# Altium PCB Carrier-Board-Apalis.PcbDoc (part 2 of 5)
Units mm, origin at the board's own origin, x right, y up, seen from the top; angles counter-clockwise.
Board outline 97 x 270 mm, 4 copper layers (Top Layer, VCC, GND, Bottom Layer), stack 1.62 mm thick; 326 components, 351 nets, 1611 pads, 935 vias.
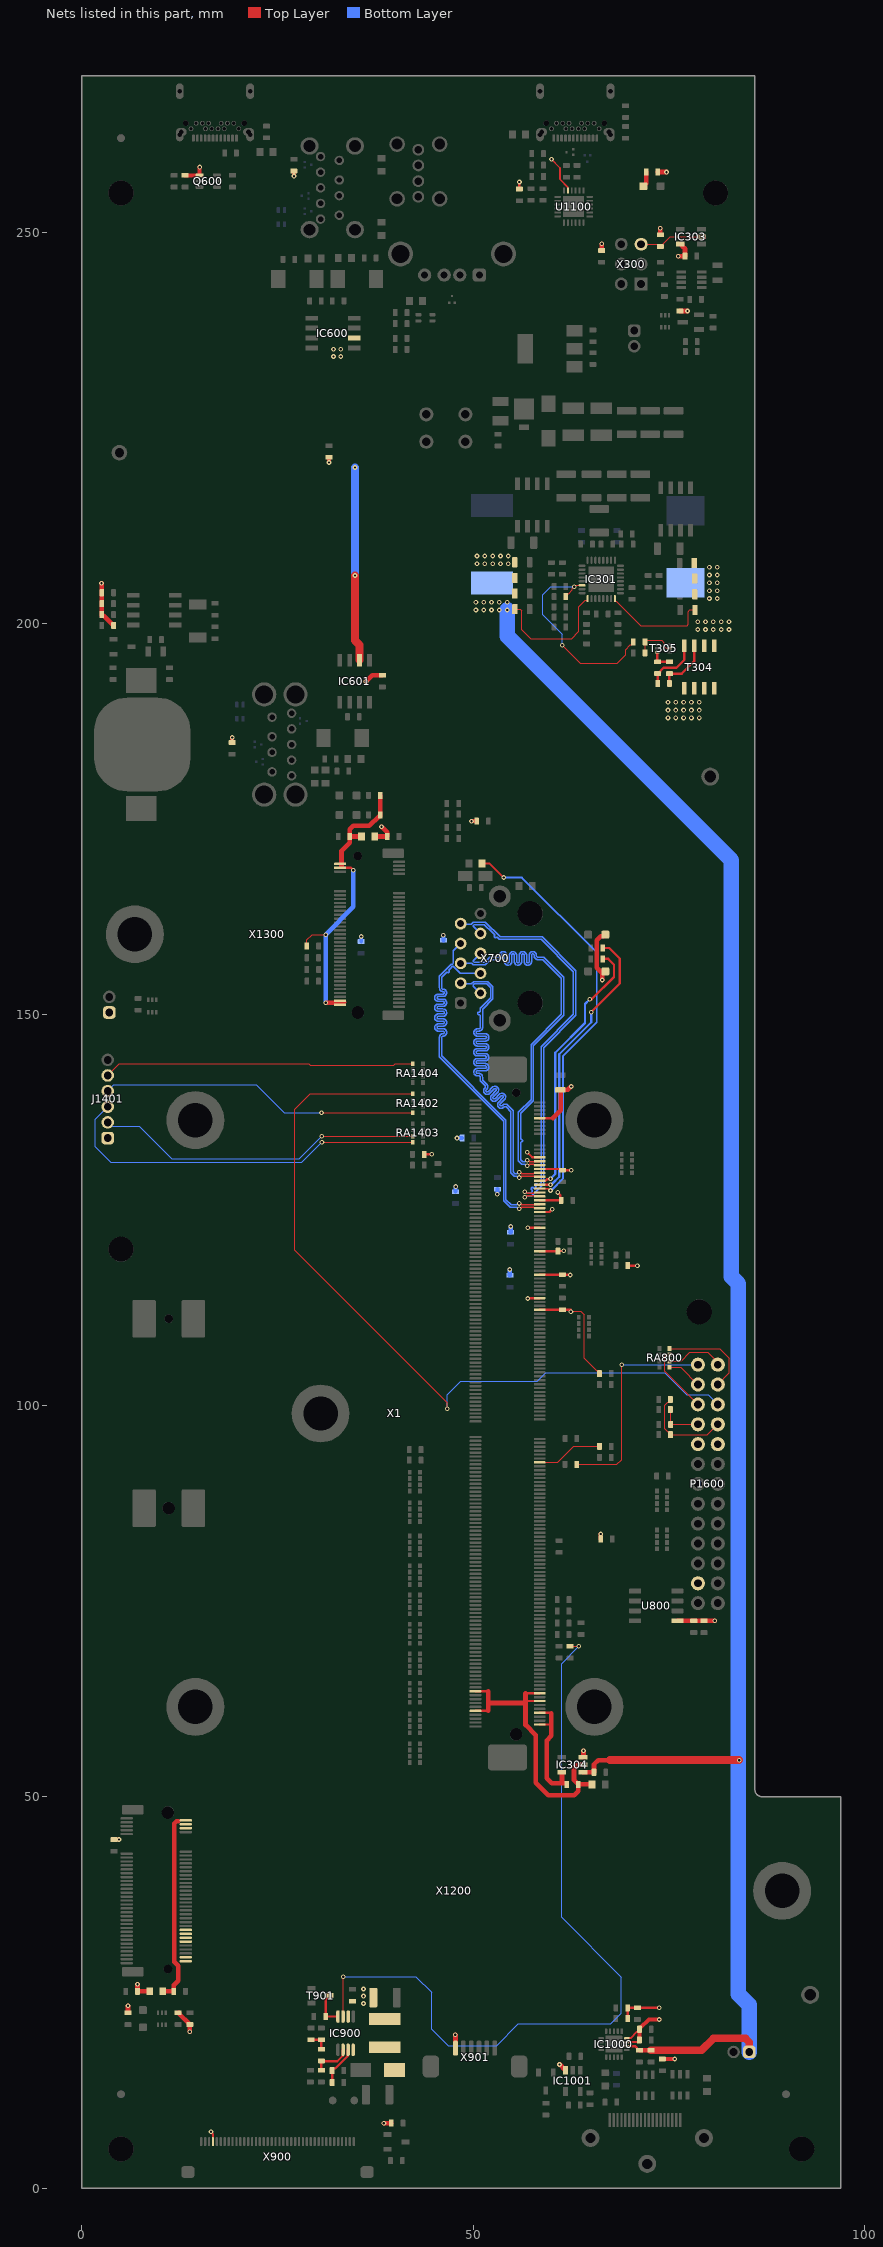
[diagram p4: the nets of this part, all layers, seen from the top]

## Footprints (in the part's own frame and the unit in brackets; to place one, negate y for a bottom-side part, rotate by r counter-clockwise, add the part's x,y. Pads: shape width x height; smd on the part's side, far side on the other; paste and mask are expansions set on the pad) (continued)
T_Omron_XF2M-4015-1A-MIRROR [mm] "DVI FFC Connector 0.5mm pitch"
  rrect50% 0.3x1.1 smd: 1(9.75,-1.95) 2(9.25,-1.95) 3(8.75,-1.95) 4(8.25,-1.95) 5(7.75,-1.95) 6(7.25,-1.95) 7(6.75,-1.95) 8(6.25,-1.95) 9(5.75,-1.95) 10(5.25,-1.95) 11(4.75,-1.95) 12(4.25,-1.95) 13(3.75,-1.95) 14(3.25,-1.95) 15(2.75,-1.95) 16(2.25,-1.95) 17(1.75,-1.95) 18(1.25,-1.95) 19(0.75,-1.95) 20(0.25,-1.95) 21(-0.25,-1.95) 22(-0.75,-1.95) 23(-1.25,-1.95) 24(-1.75,-1.95) 25(-2.25,-1.95) 26(-2.75,-1.95) 27(-3.25,-1.95) 28(-3.75,-1.95) 29(-4.25,-1.95) 30(-4.75,-1.95) 31(-5.25,-1.95) 32(-5.75,-1.95) 33(-6.25,-1.95) 34(-6.75,-1.95) 35(-7.25,-1.95) 36(-7.75,-1.95) 37(-8.25,-1.95) 38(-8.75,-1.95) 39(-9.25,-1.95) 40(-9.75,-1.95)
  rrect50% 1.7x1.5 smd: ""(-11.45,1.95) ""(11.45,1.95)
  silkscreen extent -11.75,-1.95 11.75,3.06, body extent -12.05,-2.95 12.05,2.95, height 2.02
T_ON_NCV4264-2ST50T3G [mm] "SO4"
  rect 2x1.5 smd: 1(-3.15,2.3) 2(-3.15,0) 3(-3.15,-2.3)
  rect 2x3.8 smd: 4(3.15,0)
  silkscreen extent -4.77,-3.43 1.8,3.43, body extent -1.85,-3.35 1.85,3.35, height 1.75
T_Resistor_Array_X4 [mm] "Resistor Array 0.8mm"
  rect 0.5x0.6 smd: 1(0,0) 2(0,-0.8) 3(0,-1.6) 4(0,-2.4) 5(1.3,0) 6(1.3,-0.8) 7(1.3,-1.6) 8(1.3,-2.4)
  silkscreen extent -0.47,-2.92 1.77,0.52, body extent -0.47,-2.92 1.77,0.52, height 0.55
T_Samtec_SSW-103-01-G-D [mm] "Receptacle Female Socket  2x3 Pins, 2.54 mm pitch"
  rect 1.65x1.65 hole 1: 1(0,0)
  round 1.65 hole 1: 2(0,2.54) 3(2.54,0) 4(2.54,2.54) 5(5.08,0) 6(5.08,2.54)
  silkscreen extent -2.26,-1.33 6.73,3.87, body extent -1.52,-1.21 6.6,3.75, height 8.52
T_SOT95P230X110-3N [mm]
  rect 1x0.6 smd: 1(-1.15,0.95) 2(-1.15,-0.95) 3(1.15,0)
  silkscreen extent -1.4,-1.45 0.33,1.67, body extent -0.7,-1.5 0.7,1.5, height 1.12
T_SOT95P285X90-6N [mm]
  rect 1.05x0.5 smd: 1(-1.35,0.95) 2(-1.35,0) 3(-1.35,-0.95) 4(1.35,-0.95) 5(1.35,0) 6(1.35,0.95)
  silkscreen extent -1.57,-1.5 0.5,1.7, body extent -0.87,-1.54 0.87,1.54, height 1.45
T_TI_TPD2EUSB30DRTR [mm] "2 CHANNEL PROTECTION SOLUTION FOR SUPER-SPEED"
  rect 0.3x0.3 smd: 1(-0.425,0.35) 2(-0.425,-0.35) 3(0.425,0)
  silkscreen extent -0.88,0.3 -0.78,0.4, body extent -0.43,-0.5 0.43,0.5, height 0.5
"T_TP-THT - EYE" [mm] "Testpin TH"
  round 2.3 hole 1.5: 1(0,0)
  silkscreen extent -1.4,-1.4 1.4,1.4, body extent -1.59,-1.59 1.59,1.59, height 8.14
T_TSOP65P490X110-8N [mm] "TSOP, 8-Leads, Body 3.1x3.1mm (max), Pitch 0.65mm, IPC Medium Density"
  oval 1.6x0.45 smd: 1(-2.125,0.975) 2(-2.125,0.325) 3(-2.125,-0.325) 4(-2.125,-0.975) 5(2.125,-0.975) 6(2.125,-0.325) 7(2.125,0.325) 8(2.125,0.975)
  silkscreen extent -2.25,-1.55 0.92,1.88, body extent -2.18,-1.55 2.18,1.55, height 1.1
T_VISHAY_SS3P3 [mm] "Schottky Barrier Rectifiers. 2-Leads, Body 3.7x1.88mm"
  rect 2.67x2.54 smd: 1(-0.8,0)
  rect 0.762x1.27 smd: 2(1.551,0)
  silkscreen extent -2.63,-0.53 -2.63,0.52, body extent -2,-1.09 2,1.09, height 1.15
TP [mm]
  round 1 smd paste-1: 1(0,0)
UJ31-CH-G1-SMT-TR [mm] "USB Type C Jack"
  rrect50% 0.35x0.89 smd: A1(0,0) A2(0.5,0) A3(1,0) A4(1.5,0) A5(2,0) A6(2.5,0) A7(3,0) A8(3.5,0) A9(4,0) A10(4.5,0) A11(5,0) A12(5.5,0)
  round 0.6 hole 0.4: B1(5.8,-1.205) B2(5.15,-1.905) B3(4.35,-1.905) B4(3.95,-1.205) B5(3.55,-1.905) B6(3.15,-1.205) B7(2.35,-1.205) B8(1.95,-1.905) B9(1.55,-1.205) B10(1.15,-1.905) B11(0.35,-1.905) B12(-0.3,-1.205)
  oval 1x1.7 hole 0.6 slot 1.3 at 90 deg: S(-1.75,-0.45) S(7.25,-0.45)
  oval 1x2 hole 0.6 slot 1.5 at 90 deg: S(-1.75,-6.005) S(7.25,-6.005)
  oval 1.4x1 hole 0.6 slot 1 at 0 deg: S(-1.55,-0.8) S(7.05,-0.8)
  round 0.7 hole 0.7 unplated: ""(-0.975,-1.905) ""(6.475,-1.905)
  silkscreen extent -2.07,-4.65 7.57,0.94, body extent -2.2,-9.65 7.7,0.35, height 3.5

## Part data
BAT400: library part BAT-Keystone-3000, "Battery Holder", Manufacturer Name=Keystone, Manufacturer Part No.=3000
C200 C303: library part C-X7R-100nF-50V-20%-0603, "Capacitor Ceramic X7R 100nF 50V 20% 0603", Rating=50V, Tolerance=20%, Type=X7R
C201 C202 C203 C301 C302 C312 C316 C317: library part C-X5R-10uF-50V-20%-1210, "Capacitor Ceramic X5R 10uF 50V 20% 1210", Rating=50V, Tolerance=20%, Type=X5R
C204 C205 C206 C207 C208: library part C-X5R-4.7uF-10V-10%-0603, "Capacitor Ceramic X5R 4.7uF 10V 10% 0603", Rating=10V, Tolerance=10%, Type=X5R
C209 C403: library part C-X5R-22uF-10V-20%-0805, "Capacitor Ceramic X5R 22uF 10V 20% 0805", Rating=10V, Tolerance=20%, Type=X5R
C210 C305 C318 C319 C327 C402 C600 C603 C606 C703 C1001 C1002 C1003 C1004 C1005 C1101 C1400: library part C-X7R-100nF-16V-10%-0402, "Capacitor Ceramic X7R 100nF 16V 10% 0603", Rating=16V, Tolerance=10%, Type=X7R
C300 C304 C311 C1000 C1203 C1204 C1302 C1303: library part C-X5R-10uF-10V-20%-0603, "Capacitor Ceramic X5R 10uF 10V 20% 0603", Rating=10V, Tolerance=20%, Type=X5R
C306 C313: library part C-X5R-1uF-16V-20%-0603, "Capacitor Ceramic X5R 1uF 16V 20% 0603", Rating=16V, Tolerance=20%, Type=X5R
C307 C308 C309 C310 C322 C323 C324 C325: library part C-X5R-47uF-10V-20%-0805, "Capacitor Ceramic X5R 47uF 10V 20% 0805", Rating=10V, Tolerance=20%, Type=X5R
C314 C500 C602 C605 C608 C900 C1008 C1200: library part C-X7R-1nF-50V-10%-0402, "Capacitor Ceramic X7R 1nF 50V 10% 0603", Rating=50V, Tolerance=10%, Type=X7R
C315: library part C-X7R-470pF-50V-10%-0402, "Capacitor Ceramic X7R 470pF 50V 10% 0603", Rating=50V, Tolerance=10%, Type=X7R
C320: library part C-X7R-330nF-16V-10%-0805, "Capacitor Ceramic X7R 330nF 16V 10% 0805", Rating=16V, Tolerance=10%, Type=X7R
C321 C800 C801: library part "Capacitor Ceramic", "Ceramic Capacitor"
C326: library part C-X7R-680pF-50V-10%-0402, "Capacitor Ceramic X7R 680pF 50V 10% 0603", Rating=50V, Tolerance=10%, Type=X7R
C328: library part C-X7R-10nF-25V-10%-0402, "Capacitor Ceramic X7R 10nF 25V 10% 0603", Rating=25V, Tolerance=10%, Type=X7R
C329 C330 C1006 C1007 C1100 C1102: library part C-X5R-2.2uF-6.3V-20%-0603, "Capacitor Ceramic X5R 2.2uF 6.3V 20% 0603", Rating=6.3V, Tolerance=20%, Type=X5R
C400 C401: library part C-NPO-27pF-50V-5%-0603, "Capacitor Ceramic NPO 27pF 50V 5% 0603", Rating=50V, Tolerance=5%, Type=NPO
C501 C502: library part C-X7R-100pF-50V-10%-0402, "Capacitor Ceramic X7R 100pF 50V 10% 0603", Rating=50V, Tolerance=10%, Type=X7R
C503 C504 C505 C506 C507 C508 C700 C701 C1009 C1010 C1201 C1202 C1300 C1301: library part C-X7R-10nF-25V-10%-0603, "Capacitor Ceramic X7R 10nF 25V 10% 0603", Rating=25V, Tolerance=10%, Type=X7R
C601 C604 C607: library part C-TA-100uF-10V-10%-6032, "Capacitor TA 100uF 10V 10% 6032", Rating=10V, Tolerance=10%, Type=TA
C702: library part C-TA-47uF-6.3V-20%-3216, "Capacitor TA 47uF 6.3V 20% 3216", Rating=6.3V, Tolerance=20%, Type=TA
C901 C903: library part C-X5R-10uF-50V-10%-1210, "Capacitor Ceramic X5R 10uF 50V 10% 1210", Manufacturer=Generic, Rating=50V, Tolerance=10%, Type=X5R
C902: library part C-X7R-100nF-16V-10%-0603, "Capacitor Ceramic X7R 100nF 16V 10% 0603", Manufacturer=Generic, Rating=16V, Tolerance=10%, Type=X7R
C904 C905: library part C-X7R-100nF-16V-10%-0603, "Capacitor Ceramic X7R 100nF 16V 10% 0603", Rating=16V, Tolerance=10%, Type=X7R
D200 D700 D701 D1200 D1300 D1301: library part "LED green", "LED green", Manufacturer Part No.=LGM67KG1J224Z
D201: "Bidirectional ESD protection", Manufacturer Name=Littelfuse, Manufacturer Part No.=SMAJ30CA
D202: library part D-Vishay-SS3P3-E3/84A-Schottky, "SS3P3-E3/84A Schottky Diode", Manufacturer Name=Vishay, Manufacturer Part No.=SS3P3-E3/84A
D400 D1000: library part D-Philips-BAT54C-Schottky-30V-200mA, "BAT54 Schottky Diode", Manufacturer=Philips
  D400: Manufacturer Part No.=BAT54C
  D1000: Manufacturer Part Number=BAT54C
D600 D601 D602 D603 D604 D605 D606 D1100 D1101: library part D-TI-TPD2EUSB30DRTR, "2 Channel Protection for Super Speed USB3.0", Manufacturer Name=TI, Manufacturer Part No.=TPD2EUSB30DRTR
D900: library part D-Fairchild-SS14, "Schottky Diode 40V 1A", Manufacturer Name=Fairdhild, Manufacturer Part No.=SS14
D1001 D1002: library part D-Semtech-RClamp0504S, "TVS Array low cap", Manufacturer Name=Semtech, Manufacturer Part No.=RCLAMP0504S
F200: library part F-Littelfuse-0458007, "Fuse 7A Fast", Manufacturer Name=Littelfuse, Manufacturer Part No.=0458007
FD200 FD201 FD202 FD203 FD204 FD205: "Fiducial Marker"
IC300: library part IC-ON-NCV4264-2ST50T3G, "L5150BNTR LDO Regulator", Manufacturer Name=STMicroelectronics, Manufacturer Part No.=L5150BNTR
IC301: library part IC-TI-TPS51120, "Power Supply Controller", Manufacturer Name="Texas Instruments", Manufacturer Part No.=TPS51120
IC302: library part IC-LIN-LTC2954CTS8-2#PBF, "Push Button On/Off Controller", Manufacturer Name=Linear, Manufacturer Part No.=LTC2954CTS8-2#TRMPBF
IC303: library part IC-FAR-NC7SZ126M5X, "NC7SZ126M5X  Buffer Three-State Output", Manufacturer Name="Fairchild Semiconductor", Manufacturer Part No.=NC7SZ126M5X
IC304 IC1001: library part IC-ON-NCP511SN33T1G, "NCP511SN33T1G LDO Regulator", Manufacturer Name="ON Semiconductor", Manufacturer Part No.=NCP511SN33T1G
IC400: library part IC-ST-M41T0M6, "RTC M41T0M6", Manufacturer Name=ST, Manufacturer Part No.=M41T0M6
IC600 IC601: library part IC-TI-TPS2052BD, "Dual High Side Switch With OC_DET 500mA/CH", Manufacturer Name="Texas Instruments", Manufacturer Part No.=TPS2052BD
IC900: library part IC-DiodesInc-PAM2841GR, "Diodes Inc, PAM2841GR, DC/DC step-up LED driver", Manufacturer="Diodes Incorporated", Manufacturer Part No.=PAM2841GR, Package=DFN2x2-8
IC1000: "HDMI ESD protection, level shifter and backdrive protection", Manufacturer Part No.=HDMI2C1-6C1
J200: "Screw Terminal, 2 Position, 5mm Spacing", System=Connector
J300 J301 J1400: library part "Connector 2x1P", "Connector 2x1P", Manufacturer Part No.=B2B-PH-K-S
  J1400: System=Connector
J600 J1100: library part "Connector USB C", "USB Type C Jack", Manufacturer Part No.=UJ31-CH-G1-SMT-TR
J1401: library part "Connector 6x1P", "Connector 6x1P", Manufacturer Part No.=B6B-PHK-S, System=Connector
L200 L201: library part L-Laird-35F0121-0SR-10-10A-25%, "Power Supply FB 10A", Rating=10A, Tolerance=25%
L202 L203 L204 L205 L1200 L1300: library part L-33R@100MHz-3A-25%-0603, "33R@100MHz 3A EMI FILTER", Rating=3A, Tolerance=25%
L300: library part L-Bourns-SRP1038A-4R7M, "Inductor 4.7uH 10A 20% 15.5 mOhm -40°C to125°C", DC Resistance="15.5 mOhm", Manufacturer Name=Bourns, Manufacturer Part No.=SRP1038A-4R7M, Rating=10A, Tolerance=20%
L301: library part L-Wurth-744771008-8.2uH-6.25A-20%, "Inductance 8.2uH 6.25A 20%", Manufacturer Name=Wurth, Manufacturer Part No.=744771008, Rating=6.25A, Tolerance=20%
L302 L601 L602 L603 L605 L607 L608 L609 L700 L1100: library part L-220R@100MHz-2A-25%-0603, "220R@100MHz 2A EMI FILTER", Rating=2A, Tolerance=25%
L600 L604 L606: library part L-Murata-DLW21SN900SQ2-90R@100MHz-330mA-25%, "Common Mode Choke High Speed 90R 330mA", Manufacturer Name=Murata, Manufacturer Part No.=DLW21SN900SQ2, Rating=330mA, Tolerance=25%
L900: library part L-Bourns-SRN5040-220M, "Inductor shielded 22uH 1.6A", Manufacturer=Generic, Rating=1.6A, Tolerance=25%
L1000: library part L-120R@100MHz-2A-25%-0603, "120R@100MHz 2A EMI FILTER", Rating=2A, Tolerance=25%
MECH200: library part MECH-Molex-48099-5701, Manufacturer Name=Molex, Manufacturer Part No.=48099-5701
OSC400: library part OSC-MC-CC4V-T1A-32.768KHz-30ppm-5x1.9mm, "Quartz 32.768kHz", Manufacturer Name="Micro Crystal", Tolerance=30ppm, Manufacturer Part No.=CC4V-T1A
P1600: library part "Header 13x2P", "Header 13x2P", Manufacturer Part No.=TSW-113-6-L-D
Q600: library part "Transistor N/PMOS Dual", "Transistor Dual, NMOS & PMOS", Manufacturer Part No.=SQ1539EH-T1_GE3
R200 R700 R701 R1200 R1300 R1301: library part R-560R-63mW-5%-0402, "Resistor 560 ohm 63mW 5% 0603", Rating=63mW, Tolerance=5%
R300 R301 R312: library part R-4.7R-63mW-5%-0402, "Resistor 4.7 ohm 63mW 5% 0603", Rating=63mW, Tolerance=5%
R302 R307 R309 R313 R316 R320 R321 R324 R326 R405 R502 R503 R504 R605 R1202 R1401: library part R-100KR-63mW-5%-0402, "Resistor 100 Kohm 63mW 5% 0603", Rating=63mW, Tolerance=5%
R303 R604 R1306 R1307: library part R-0R-63mW-1%-0402, "Resistor 0 ohm 63mW 1% 0603", Rating=63mW, Tolerance=1%
R304 R314 R315: library part R-10KR-63mW-5%-0402, "Resistor 10 Kohm 63mW 5% 0603", Rating=63mW, Tolerance=5%
R305: library part R-12mR-250mW-1%-1206, "Resistor 12 mohm 250mW 1% 1206", Rating=250mW, Tolerance=1%
R306 R318 R1005: library part R-24KR-63mW-1%-0402, "Resistor 24 Kohm 63mW 1% 0603", Rating=63mW, Tolerance=1%
R308: library part R-3.3KR-63mW-1%-0402, "Resistor 3.3 Kohm 63mW 1% 0603", Rating=63mW, Tolerance=1%
R310 R311 R322 R323 R600 R601 R602 R603 R1303 R1304 R1305 R1308 R1309 R1310 R1311 R1402 R1403: library part R-0R-63mW-1%-0603, "Resistor 0 ohm 63mW 1% 0603", Rating=63mW, Tolerance=1%
R317: library part R-15mR-250mW-1%-1206, "Resistor 15 mohm 250mW 1% 1206", Rating=250mW, Tolerance=1%
R319: library part R-3.6KR-63mW-1%-0402, "Resistor 3.6 Kohm 63mW 1% 0603", Rating=63mW, Tolerance=1%
R325 R500 R501 R800 R900 R1103 R1104 R1500 R1501: library part R-22R-63mW-5%-0402, "Resistor 22 ohm 63mW 5% 0603", Rating=63mW, Tolerance=5%
R400: library part R-470R-63mW-5%-0402, "Resistor 470 ohm 63mW 5% 0603", Rating=63mW, Tolerance=5%
R401 R402: library part R-10R-63mW-5%-0603, "Resistor 10 ohm 63mW 5% 0603", Rating=63mW, Tolerance=5%
R403 R404: library part R-1.8KR-63mW-5%-0402, "Resistor 1.8 Kohm 63mW 5% 0603", Rating=63mW, Tolerance=5%
R606 R607 R608 R609 R610 R801 R802 R803 R804 R805 R1100 R1101 R1102 R1105 R1106 R1400: library part Resistor, "Resistor"
R901 R908: library part R-10KR-63mW-1%-0603, "Resistor 10 Kohm 63mW 1% 0603", Manufacturer=Generic, Rating=63mW, Tolerance=1%
R902: library part R-100KR-63mW-5%-0603, "Resistor 100 Kohm 63mW 5% 0603", Manufacturer=Generic, Rating=63mW, Tolerance=5%
R903: library part R-910KR-63mW-1%-0603, "Resistor 910 Kohm 63mW 1% 0603", Manufacturer=Generic, Rating=63mW, Tolerance=1%
R904: library part R-59KR-63mW-1%-0603, "Resistor 59 Kohm 63mW 1% 0603", Manufacturer=Generic, Rating=63mW, Tolerance=1%
R905: library part R-5KR-63mW-1%-0603, "Resistor 5 Kohm 63mW 1% 0603", Manufacturer=Generic, Rating=63mW, Tolerance=1%
R906: library part R-3.3R-63mW-1%-0603, "Resistor 3.3 ohm 63mW 1% 0603", Manufacturer=Generic, Rating=63mW, Tolerance=1%
R907: library part R-90KR-63mW-1%-0603, "Resistor 90 Kohm 63mW 1% 0603", Manufacturer=Generic, Rating=63mW, Tolerance=1%
R1000 R1001: library part R-10KR-63mW-1%-0603, "Resistor 10 Kohm 63mW 1% 0603", Rating=63mW, Tolerance=1%
R1002 R1004: library part R-1.8KR-63mW-5%-0603, "Resistor 1.8 Kohm 63mW 5% 0603", Rating=63mW, Tolerance=5%
R1003 R1201: library part R-470KR-63mW-5%-0402, "Resistor 470 Kohm 63mW 5% 0603", Rating=63mW, Tolerance=5%
R1302: library part R-47KR-63mW-5%-0603, "Resistor 47 Kohm 63mW 5% 0603", Rating=63mW, Tolerance=5%
RA300 RA400 RA500 RA800 RA900 RA901 RA902 RA903 RA904 RA905 RA906 RA907 RA1000 RA1100 RA1400 RA1401 RA1402 RA1403 RA1404: library part RA-22R-63mW-5%-1206-div, "Resistor Array 22 R 63mW 5% 1206", Power Dissipation=63mW, Tolerance=5%
T300 T303: library part T-Fairchild-FDS6982AS-N, "N-Channel PowerTrench SyncFET", Manufacturer Name=Fairchild, Manufacturer Part No.=FDS6910DKR
T301: library part T-IR-IRLML6401PbF-SOT-23, "p-channel MOSFET, IRLML6401PbF", Manufacturer Name="International Rectifier", Manufacturer Part No.=IRLML6401PbF
T302 T305 T1200 T1400: "Dual N-Channel 20V (D-S)  MOSFET", Manufacturer Name=Vishay, Manufacturer Part No.=SI-1024-X
T304: library part T-Diodes-DMP2022LSS-13-8-SOIC, "p-channel MOSFET, DMP2022LSS-13", Manufacturer Name=DIODES, Manufacturer Part No.=DMP2022LSS-13
T900 T901: library part T-Vishay-SI2312CDS, "N-Channel 20V (D-S)  MOSFET", Manufacturer=Vishay, Manufacturer Part No.=SI2312CDS
TP200 TP201: library part TP-Keystone-5011, "Testpin Eye TH", Manufacturere Name=Keystone, Manufacturer Part No.=5011
U800: "LVDS Transmitter", Manufacturer Part No.=MAX9110ESA+
U1100: "USB to UART Bridge", Manufacturer Part No.=CP2105-F01-GMR
X1: "MXM3 Connector", Manufacturer Name=JAE, Manufacturer Part No.=MM70-314-310B1, No. of ways=314
X300: library part CON-Samtec-SSW-103-01-G-D, "Receptacle Female Socket, 2x3 Pins, 2.54mm pitch", Manufacturer Name=Samtec, Manufacturer Part No.=SSW-103-01-G-D, No. of ways=2x3, Pitch=2.54mm
X600: "USB Type A Connector", Manufacturer Name=FCI, Manufacturer Part No.=73725-0110BLF, No. of ways=4, System=Connector
X601: "USB Type A Connector Vertical", Manufacturer Name=TE, Manufacturer Part No.=1734366-3, System=Connector
X602: library part CON-Amphenol-GSB4116341HR, "USB 3.1, Type A, sideways", Manufacturer Name=Amphenol, Manufacturer Part No.=GSB4116341HR, System=Connector
X603: library part CON-Amphenol-GSB412137CHR, "USB 3.1, Type A, vertical", Manufacturer Name=Amphenol, Manufacturer Part No.=GSB412137CHR, System=Connector
X700: library part CON-TE-5-2301995-1, "Vertical 10/100/1G Mag Jack", Manufacturer Part No.=5-2301995-1
X900: library part CON-Omron-XF2M-4015-1A-40-0.5mm, "RGB Connector", Manufacturer Name=Omron, Manufacturer Part No.=XF2M-4015-1A, No. of ways=40, Pitch=0.5mm, System=Connector
X901: library part CON-Molex-52207-0633, "1mm Pitch FFC/FPC Connector", Manufacturer Name=Molex, Manufacturer Part No.=52207-0633, No. of ways=8, Pitch=0.5mm, System=Connector
X1000: library part CON-Molex-0476591001, "HDMI Connector Vertical", Manufacturer=Molex, Manufacturer Part No.=0476591001, System=Connector
X1200: library part "Connector M.2 Key M", "Connector M.2 Key M", Manufacturer Part No.=1-2199119-5
X1300: library part "Connector M.2 Key A", "Connector M.2 Key A", Manufacturer Part No.=2199119-8

## Free pads (board coordinates)
  round 3.2 hole 3.2 unplated mask+1.5: ""(5,5) ""(5,120) ""(5,255) ""(78.9,112) ""(81,255) ""(92,5)

## Via types
v1: diameter 0.6, hole 0.3, Top Layer to Bottom Layer, tented both sides, 818 vias
v2: diameter 0.6, hole 0.3, Top Layer to Bottom Layer, 117 vias

## Nets (pads, with @x,y where several pads share a name; then routed paths per layer and width w, separated by ;. In a path a pad name is that pad's centre, name@x,y a point inside that pad or via, vN(x,y) a via of type N, cw(c..) or ccw(c..) an arc to the next point about the centre after c; other vN are vias at no path point)
3.3V: C204.1 C205.1 C206.1 C207.1 C208.1 C209.1 C307.2 C308.2 C309.2 C310.2 C327.1 C328.2 IC301.8 IC303.5 L300.2 R314.1 R315.1 R316.2 R320.1 R324.2 R1401.1 T304.1 T304.2 T304.3 X1.10 X1.30 X1.36 X1.52 X1.58 X1.66 X1.78 X1.90 X1.102 X1.108 | length 70.5
  Top Layer w0.15: v1@62.48,112.27 62.65,112.1 63.729,112.1 64.2,111.63 64.2,106.05 65.788,104.462 65.925,104.462 66.15,104.237 R1401.1@66.15,104.1 ; IC301.8@68.129,203.15 68.129,202.89 68.199,202.821 68.324,202.821 71.445,199.7 77.35,199.7 77.5,199.85 77.5,201.5 77.7,201.7 C310.2@78.36,201.7
  Top Layer w0.3: R324.2@43.75,132.121 v1(44.7,132.121) ; v1(56.9,132.4) 57.55,131.75 X1.30@58.5,131.75 ; v1(57,113.7) 57.05,113.75 X1.102@58.5,113.75 ; v1(57,122.75) X1.66@58.5,122.75 ; X1.108@58.5,112.25 61.33,112.25 61.35,112.27 v1@62.48,112.27 ; X1.90@58.5,116.75 C207.1@61.4,116.75 62.35,116.75 v1(62.4,116.7) ; X1.78@58.5,119.75 C206.1@60.85,119.75 60.875,119.775 61.575,119.775 v1(61.6,119.8) ; X1.58@58.5,124.75 59.75,124.75 v1(60.1,125.1) ; X1.52@58.5,126.25 C205.1@61.25,126.25 61.157,126.343 61.157,126.899 v1(60.8,127.256) ; X1.36@58.5,130.25 61.25,130.25 C204.1@61.4,130.1 v1(62.549,130.1) ; X1.10@58.5,136.75 60.2,136.75 ; C328.2@75.089,192.315 R320.1@75.089,193.565 76.665,193.565 78.265,195.165 T304.3@78.265,197.1
  Top Layer w0.6: 60.2,136.75 61.2,137.75 C209.1@61.2,140.35 ; C209.1@61.172,140.386 62.122,140.386 v1(62.536,140.8) ; R314.1@66.435,247.65 v1(66.435,248.5) ; v1(73.9,250.5) 73.935,250.465 R316.2@73.935,249.65 ; v1(76.2,246.9) 76.21,246.91 C327.1@77.085,246.91 77.085,247.86 76.735,248.21 76.735,248.46 IC303.5@76.485,248.46 ; R315.1@76.435,239.9 v1(77.4,239.9)
  other v1: 62.5,112 80.2,203.167 81.2,203.167 80.2,204.167 81.2,204.167 80.2,205.167 81.2,205.167 80.2,206.167 81.2,206.167 80.2,207.167 81.2,207.167
  other v2: 78.7,199.2 79.7,199.2 80.7,199.2 81.7,199.2 82.7,199.2 78.7,200.2 79.7,200.2 80.7,200.2 81.7,200.2 82.7,200.2
3.3V_LED: D200.A R200.2 | length 1.9
  Top Layer w0.6: D200.A@71.76,255.862 72.11,256.212 R200.2@72.11,257.662
3.3V_mSATA1: C1204.2 L1200.2 X1200.2 X1200.4 X1200.12 X1200.14 X1200.16 X1200.18 X1200.70 X1200.72 X1200.74 | length 24.1
  Top Layer w0.3: 11.8,29.4 11.9,29.5
  Top Layer w0.6: L1200.2@10.34,25.15 C1204.2@11.75,25.15 11.75,25.95 12.3,26.5 12.3,28.4 11.8,28.9 11.8,29.4 11.8,46.6 12.1,46.9 12.3,46.9
3.3V_PCIE1: C1303.2 L1300.2 R1300.1 R1301.1 R1302.2 X1300.2 X1300.4 X1300.72 X1300.74 | length 39.5
  Top Layer w0.15: R1302.2@28.75,158.75 28.75,159.531 29.419,160.2 v1(31.15,160.2)
  Top Layer w0.3: X1300.4@33,168.75 34.375,168.75 v1(34.7,168.425)
  Top Layer w0.6: v1(31.15,151.5) 33,151.5 ; 33.19,168.9 33.19,169.25 33.19,170.9 34.25,171.96 C1303.2@34.25,172.75 ; 33.45,151.5 33.5,151.55 ; L1300.2@35.74,172.75 C1303.2@34.25,172.75 ; R1301.1@38.135,178 R1300.1@38.135,175.5 38.135,175.35 37.985,175.35 36.735,174.1 34.7,174.1 34.25,173.65 C1303.2@34.25,172.75
  Bottom Layer w0.6: v1(31.15,151.5) v1(31.15,160.2) 34.7,163.75 v1(34.7,168.425)
3.3V_SW: C503.2 C504.2 C505.2 C506.2 C507.2 C508.2 C700.2 C701.2 C800.1 C801.1 C901.2 C902.1 C1003.2 C1005.2 C1009.2 C1010.2 C1201.2 C1202.2 C1203.2 C1300.2 C1301.2 C1302.2 D700.A D701.A IC304.3 IC900.2 IC1000.17 IC1000.18 IC1001.3 J1400.1 J1401.1 L900.1 L1200.1 L1300.1 P1600.23 Q600.4 R200.1 R400.2 R403.2 R404.2 R405.2 R503.1 R605.2 R606.2 R901.2 R1000.2 R1001.2 R1003.2 R1102.2 R1200.1 R1201.1 R1202.2 T304.5 T304.6 T304.7 T304.8 U800.1 U1100.5 X900.4 X901.1 | length 71
  Top Layer w0.2: v1(60.009,259.286) 61.109,258.186 61.109,256.736 62.109,255.736 U1100.5@62.109,255.3
  Top Layer w0.25: IC1000.17@69.65,18.65 71.085,18.65 71.26,18.825 C1003.2@71.26,18.925 ; IC1000.18@69.65,19.15 69.662,19.162 70.124,19.162 70.936,19.975 71.086,19.975 C1005.2@71.261,20.15
  Top Layer w0.3: v1(16.5,7.2) 16.5,7.124 16.75,6.874 X900.4@16.75,5.95 ; R1102.2@55.918,255.5 v1(55.918,256.4) ; R1001.2@69.749,21.695 R1000.2@69.749,23.045 70.99,23.045 R1003.2@71,23.055 v1(73.8,23.055) ; R503.1@69.75,117.9 v1(71,117.9)
  Top Layer w0.5: C1301.2@4.1,44.55 v1(4.75,44.55) ; R606.2@13.2,257.25 Q600.4@15.05,257.25 v1(15.05,258.3) ; C506.2@19.2,184.75 v1(19.2,185.4) ; v1(27.1,257.15) C507.2@27.1,257.8 ; v1(31.574,220.55) C508.2@31.574,221.2 ; v1(49.8,174.7) C505.2@50.45,174.7 ; C1010.2@66.3,82.95 v1(66.3,83.6) ; C1003.2@71.26,18.925 71.261,18.927 71.261,20.15 C1005.2@71.261,20.3 71.261,20.45 71.311,20.5 71.405,20.5 72.46,21.555 v1(73.8,21.555) ; C1009.2@74.2,16.5 v1(75.781,16.5)
  Top Layer w0.6: v1(2.515,205.1) 2.55,205.065 R403.2@2.55,203.9 R404.2@2.55,202.5 R405.2@2.55,201.1 2.55,200.95 2.8,200.95 3.9,199.85 4.05,199.85 R400.2@4.05,199.7 ; R1200.1@5.895,22.4 v1(5.895,23.308) ; v1(7.108,26.058) C1203.2@7.108,25.15 L1200.1@8.66,25.15 ; R1201.1@12.3,22.4 12.45,22.4 12.45,22.25 13.65,21.05 13.65,20.9 R1202.2@13.8,20.9 v1(13.8,19.992) ; v1(36.3,192.55) 37.1,193.35 R605.2@38.4,193.35 ; L1300.1@37.42,172.75 C1302.2@39.025,172.75 39.025,173.275 v1(38.3,174) ; v1(38.6,8.3) R901.2@39.55,8.3 ; v1(47.714,19.6) 47.75,19.564 X901.1@47.75,17.9 ; v1(61.05,15.8) IC1001.3@61.8,15.051 ; IC304.3@64.05,55.05 64.099,55.05 64.099,55.899 v1(64.1,55.9) ; v1(66.5,154.4) 66.5,155.257 65.8,155.957 65.8,159.5 66.3,160 66.7,160 D701.A@66.9,160.2 ; R200.1@73.61,257.662 v1(74.71,257.662) ; U800.1@76.1,72.5 C801.1@78.2,72.5 C800.1@79.5,72.5 v1(80.9,72.5)
  Bottom Layer w0.5: C1202.2@35.7,159.32 v1(35.7,159.97) ; C701.2@46.2,159.475 v1(46.2,160.125) ; C1201.2@47.765,127.35 v1(47.765,128) ; v1(47.938,134.2) C1300.2@48.588,134.2 ; v1(53.1,127.02) C700.2@53.1,127.67
  Bottom Layer w0.6: C503.2@54.7,116.65 v1@54.7,117.4 ; C504.2@54.771,122.15 54.8,122.15 v1(54.8,122.9)
  other v1: 36,23.6 36,24.54 36,25.44 54.7,117.4
  other v2: 74.9,187.9 75.9,187.9 76.9,187.9 77.9,187.9 78.9,187.9 74.9,188.9 75.9,188.9 76.9,188.9 77.9,188.9 78.9,188.9 74.9,189.9 75.9,189.9 76.9,189.9 77.9,189.9 78.9,189.9
3.3V_SW_EN: R322.1 R323.2 T305.2 | length 5.3
  Top Layer w0.15: R323.2@71.971,196.21 R322.1@71.971,197.61 72.161,197.8 74.1,197.8 74.46,197.44 74.46,197.062 74.707,196.815 T305.2@75.129,196.815
3.3V_SW_EN#: C328.1 R321.1 T304.4 | length 7.3
  Top Layer w0.3: C328.1@73.589,192.315 R321.1@73.589,193.565 73.726,193.565 73.951,193.79 73.951,193.927 74.324,194.3 76,194.3 76.995,195.295 T304.4@76.995,197.1
3.3V_SW_EN_R#: R320.2 R321.2 T305.6 | length 2.8
  Top Layer w0.3: T305.6@73.549,196.315 73.549,195.105 R321.2@73.589,195.065 R320.2@75.089,195.065
5V_PGOOD: IC301.30 R313.1 R322.2 | length 26.4
  Top Layer w0.15: v1(61.4,197.2) 63.7,194.9 68.4,194.9 69.5,196 69.5,196.639 70.109,197.248 70.246,197.248 70.471,197.473 R322.2@70.471,197.61 ; R313.1@61.85,203.4 61.85,203.537 62.075,203.762 62.212,203.762 62.7,204.25 62.7,204.46 v1(62.915,204.675) 63.09,204.85 IC301.30@63.929,204.85
  Bottom Layer w0.15: v1(61.4,197.2) 61.4,198.6 58.9,201.1 58.9,203.66 59.915,204.675 v1(62.915,204.675)
5V_SW: C322.2 C323.2 C324.2 C325.2 C330.2 C1000.2 C1001.1 IC301.1 IC304.1 IC600.2 IC601.2 IC1000.16 J301.1 L301.2 | length 277.5
  Top Layer w0.15: C322.2@55.329,201.8 56,201.8 56.2,201.6 56.2,199.2 57.35,198.05 62.6,198.05 63.5,198.95 63.5,202.1 64.342,202.942 64.56,202.942 64.629,203.012 IC301.1@64.629,203.15
  Top Layer w0.3: IC1000.16@69.65,18.15 70.708,18.15 70.947,17.911 70.947,17.761 71.097,17.611 C1001.1@71.247,17.611
  Top Layer w0.6: IC304.1@64.05,53.15 C330.2@65.45,53.15 65.45,54.147 66,54.697 67.497,54.697 67.5,54.7 ; C1001.1@71.247,17.611 C1000.2@72.747,17.611
  Top Layer w1: v1(34.9,206.1) 34.9,197.8 35.485,197.215 IC601.2@35.485,195.3 ; 67.5,54.7 67.503,54.697 v1(84,54.697) ; C1000.2@72.747,17.611 79.2,17.611 80.739,19.15 84.8,19.15 85.3,18.65 J301.1@85.3,17.4
  Bottom Layer w1: v1(34.9,206.1) v1(34.9,219.9)
  Bottom Layer w2: v2(54.358,201.7) 54.358,198.367 83,169.725 83,116.5 83.9,115.6 83.9,24.8 85.3,23.4 J301.1@85.3,17.4
  other v1: 50.5,207.6 51.5,207.6 52.5,207.6 53.5,207.6 54.5,207.6 50.5,208.6 51.5,208.6 52.5,208.6 53.5,208.6 54.5,208.6 32.16,234.1 33.1,234.1 32.16,235.033 33.1,235.033
  other v2: 50.358,201.7 51.358,201.7 52.358,201.7 53.358,201.7 50.358,202.7 51.358,202.7 52.358,202.7 53.358,202.7 54.358,202.7
AGND2: C329.1 IC304.2 L302.1 X1.303 X1.304 X1.308 X1.313 | length 38.9
  Top Layer w0.3: X1.313@50.3,61 51.929,61 ; X1.303@50.3,63.5 51.929,63.5 ; 56.7,62 56.95,62.25 X1.308@58.5,62.25 ; 56.7,63.25 X1.304@58.5,63.25
  Top Layer w0.6: 51.929,61 51.929,62 ; 51.929,63.5 51.929,62 ; 56.7,63.25 56.7,62.25 56.7,62 ; IC304.2@64.05,54.1 63.251,54.1 62.9,53.749 62.9,52.15 63.3,51.75 63.45,51.75 C329.1@63.45,51.6 ; L302.1@65.2,51.6 C329.1@63.45,51.6 ; 51.929,62 56.7,62 ; 56.7,62 56.7,59.2 58,57.9 58,51.8 59.6,50.2 62.9,50.2 63.45,50.75 C329.1@63.45,51.6
AVCC: C329.2 IC304.5 X1.314 X1.320 | length 16
  Top Layer w0.3: X1.320@58.5,59.25 59.95,59.25 60,59.3 ; X1.314@58.5,60.75 59.95,60.75 60,60.7
  Top Layer w0.6: 60,60.7 60,59.3 60,57.8 59.4,57.2 59.4,52.4 60.05,51.75 61.35,51.75 ; IC304.5@61.35,53.15 61.35,51.75 ; C329.2@61.95,51.6 61.95,51.75 61.35,51.75
BKL1_ON: IC900.3 R900.2 | length 100.8
  Top Layer w0.15: IC900.3@33.375,21.93 33.375,26.975 v1(33.4,27) ; R900.2@62.4,69.25 63.495,69.25 v1(63.5,69.245)
  Bottom Layer w0.15: v1(33.4,27) 42.7,27 44.7,25 44.7,20.3 46.8,18.2 53,18.2 55.8,21 67.6,21 68.935,22.335 68.935,26.965 61.3,34.6 61.3,67.045 v1(63.5,69.245)
D\A\C\_\R\S\T\: P1600.5 RA800.6 | length 8.6
  Top Layer w0.15: RA800.6@75.115,106.5 74.7,106.5 74.5,106.3 74.5,104.39 P1600.5@78.73,100.16
DAC_BCLK: P1600.2 RA800.7 | length 7.4
  Top Layer w0.15: RA800.7@75.115,105.7 76.6,105.7 77.7,106.8 80,106.8 81.27,105.53 P1600.2@81.27,105.24
DAC_CS: P1600.10
DAC_LRCLK: P1600.3 RA800.8 | length 4.5
  Top Layer w0.15: RA800.8@75.115,104.9 76.53,104.9 P1600.3@78.73,102.7
DAC_MCLK: P1600.1 R800.2 | length 27.8
  Top Layer w0.15: R800.2@63.25,92.5 68.376,92.5 68.985,93.109 v1@68.985,105.24
  Bottom Layer w0.15: v1(69,105.24) P1600.1@78.73,105.24
DAC_MISO: P1600.9
DAC_MUTE: P1600.6 RA1402.8 | length 101.4
  Top Layer w0.15: RA1402.8@42.28,139.85 29.177,139.85 27.2,137.873 27.2,119.868 46.696,100.371 46.7,100.375 v1(46.7,99.602)
  Bottom Layer w0.15: v1(46.7,99.602) 46.7,101.403 48.397,103.1 58.2,103.1 59.288,104.188 74.512,104.188 77.3,101.4 80.03,101.4 P1600.6@81.27,100.16
DAC_SCL_SCLK: P1600.7 R802.1 R804.1 | length 5.4
  Top Layer w0.15: R804.1@75.22,99.5 75.235,99.485 R802.1@75.235,97.6 78.71,97.6 P1600.7@78.73,97.62
DAC_SDA_MOSI: P1600.8 R801.1 R803.1 | length 11.8
  Top Layer w0.15: R803.1@75.22,100.8 75.22,100.663 74.995,100.438 74.858,100.438 74.5,100.08 74.5,97.035 74.873,96.662 75.01,96.662 75.235,96.437 R801.1@75.235,96.3 79.95,96.3 P1600.8@81.27,97.62
DAC_SDATA: P1600.4 RA800.5 | length 12.1
  Top Layer w0.15: RA800.5@75.115,107.3 81.5,107.3 82.75,106.05 82.75,104.18 P1600.4@81.27,102.7
DCDC_COMP_B: C904.2 IC900.4 T901.3 | length 4.6
  Top Layer w0.3: T901.3@31.65,24.605 31.45,24.605 31.3,24.455 31.3,24.255 31.15,24.105 C904.2@31.15,21.93 IC900.4@32.725,21.93
DCDC_FB_B: IC900.6 R905.1 R907.2 | length 5
  Top Layer w0.3: R905.1@30.6,15.055 30.6,16.205 32.639,16.205 33.346,16.913 33.346,17.651 IC900.6@33.375,17.68
DCDC_OVP_B: IC900.7 R903.1 R904.2 | length 5.2
  Top Layer w0.3: R904.2@31.975,13.505 R903.1@31.975,15.005 31.975,15.155 32.125,15.305 32.375,15.305 33.996,16.926 33.996,17.651 IC900.7@34.025,17.68
DCDC_PWM_B: C905.2 R907.1 R908.2 | length 2.5
  Top Layer w0.3: R908.2@29.3,18.955 C905.2@30.6,18.955 R907.1@30.6,17.755
DCDC_SW_B: D900.2 IC900.8 L900.2
ENC_A: J1401.2 RA1403.6 | length 42.1
  Top Layer w0.15: v1(30.658,134.425) 41.93,134.425 41.955,134.45 RA1403.6@42.28,134.45
  Bottom Layer w0.15: J1401.2@3.3,136.2 3.413,136.2 3.913,135.7 7.35,135.7 11.5,131.55 27.783,131.55 v1(30.658,134.425)
ENC_B: J1401.3 RA1403.5 | length 48.2
  Top Layer w0.15: v1(30.674,133.658) 41.913,133.658 41.93,133.675 41.955,133.65 RA1403.5@42.28,133.65
  Bottom Layer w0.15: J1401.3@3.3,138.2 1.718,136.618 1.718,133.1 3.718,131.1 ; 3.7,131.1 3.718,131.1 ; v1(30.674,133.658) 28.116,131.1 3.718,131.1
ENC_BKL: J1401.5 RA1404.1 | length 39.8
  Top Layer w0.15: J1401.5@3.3,142.2 4.8,143.7 29,143.7 29.2,143.5 39.85,143.5 40.05,143.7 RA1404.1@42.28,143.7
ENC_BTN: J1401.4 RA1402.5 | length 40.8
  Top Layer w0.15: v1(30.633,137.45) RA1402.5@42.28,137.45
  Bottom Layer w0.15: J1401.4@3.3,140.2 4.1,141 22.3,141 25.85,137.45 v1(30.633,137.45)
ETH1_ACT: R700.1 X1.42 | length 34.1
  Top Layer w0.3: X1.42@58.5,128.75 59.254,128.75 59.446,128.943 59.843,128.943 v1(59.9,129) ; v1(64.9,151.947) 65.147,151.947 68,154.8 68,156.36 67.26,157.1 R700.1@66.55,157.1
  Bottom Layer w0.3: v1(59.9,129) 60.5,129.6 60.5,145.114 64.3,148.914 64.3,151.347 v1(64.9,151.947)
ETH1_CTREF: L700.1 X1.46 | length 53.8
  Top Layer w0.25: L700.1@51.14,169.278 52.122,169.278 v1(53.9,167.5) ; X1.46@58.5,127.75 58.525,127.725 59.58,127.725 59.805,127.5 v1(59.9,127.5)
  Bottom Layer w0.25: v1(53.9,167.5) 56.225,167.5 65.8,157.925 65.8,149 61.5,144.7 61.5,129.037 59.963,127.5 v1(59.9,127.5)
ETH1_LINK: R701.1 X1.44 | length 36.8
  Top Layer w0.3: X1.44@58.5,128.25 v1(59.9,128.25) ; v1(65.1,150.3) 68.75,153.95 68.75,157.15 67.4,158.5 R701.1@66.55,158.5
  Bottom Layer w0.3: v1(59.9,128.25) 59.981,128.25 60.131,128.4 60.149,128.4 61,129.251 61,144.907 65.1,149.007 v1(65.1,150.3)
ETH1_MDI0_N: X1.48 X700.P8 | length 51.5
  Top Layer w0.165: v1(56.6,127.35) 56.714,127.35 56.914,127.15 57.442,127.15 57.736,127.15 57.768,127.182 58.432,127.182 X1.48@58.5,127.25
  Bottom Layer w0.165: X700.P8@50.95,160.342 50.042,161.25 50.042,161.387 50.139,161.484 51.453,161.484 52.436,160.5 52.554,160.382 52.755,160.182 cw(c52.72,160.147) 52.755,160.112 ccw(c52.872,159.994) 52.755,159.877 ccw(c52.872,159.994) 52.99,159.877 cw(c53.025,159.842) 53.06,159.877 53.2,159.736 53.336,159.6 58.684,159.6 62.8,155.484 62.8,150 58.7,145.9 58.7,128.5 58.582,128.382 58.465,128.265 cw(c58.347,128.382) 58.229,128.265 58.171,128.323 ccw(c58.053,128.205) 57.935,128.323 ccw(c58.053,128.205) 57.935,128.088 57.994,128.029 cw(c57.876,127.911) 57.994,127.794 cw(c57.876,127.911) 57.758,127.794 57.7,127.852 ccw(c57.582,127.734) 57.464,127.852 ccw(c57.582,127.734) 57.464,127.617 57.523,127.558 cw(c57.405,127.44) 57.523,127.323 57.405,127.205 57.35,127.15 56.914,127.15 56.714,127.35 v1(56.6,127.35)
ETH1_MDI0_P: X1.50 X700.P9 | length 51.5
  Top Layer w0.165: v1(56.6,126.65) 56.714,126.65 56.914,126.85 57.318,126.85 57.736,126.85 57.768,126.817 58.432,126.817 X1.50@58.5,126.75
  Bottom Layer w0.165: X700.P9@48.41,161.612 48.499,161.523 49.754,161.523 50.014,161.784 51.577,161.784 53.46,159.9 58.808,159.9 63.1,155.608 63.1,149.876 59,145.776 59,128.376 57.474,126.85 56.914,126.85 56.714,126.65 v1(56.6,126.65)
ETH1_MDI1_N: X1.54 X700.P4 | length 51.1
  Top Layer w0.165: v1(55.9,125.85) 56.014,125.85 56.214,125.65 57.311,125.65 57.736,125.65 57.768,125.682 58.432,125.682 X1.54@58.5,125.75
  Bottom Layer w0.165: X700.P4@50.95,155.262 48.361,155.262 47.489,156.135 47.352,156.135 47.2,155.983 47.009,155.791 46.926,155.708 ccw(c46.96,155.674) 46.926,155.639 cw(c46.808,155.521) 46.926,155.404 cw(c46.808,155.521) 46.69,155.404 ccw(c46.655,155.369) 46.621,155.404 46.509,155.291 46,154.783 46,154.6 46,153.7 46,153.383 ccw(c46.149,153.383) 46.149,153.234 cw(c46.149,152.767) 46.616,152.767 cw(c46.149,152.767) 46.149,152.301 45.551,152.301 ccw(c45.551,152.134) 45.551,151.968 46.149,151.968 cw(c46.149,151.501) 46.616,151.501 cw(c46.149,151.501) 46.149,151.035 45.551,151.035 ccw(c45.551,150.868) 45.551,150.702 46.149,150.702 cw(c46.149,150.235) 46.616,150.235 cw(c46.149,150.235) 46.149,149.769 45.551,149.769 ccw(c45.551,149.602) 45.551,149.436 46.149,149.436 cw(c46.149,148.969) 46.616,148.969 cw(c46.149,148.969) 46.149,148.503 45.551,148.503 ccw(c45.551,148.336) 45.551,148.17 46.149,148.17 cw(c46.149,147.703) 46.616,147.703 cw(c46.149,147.703) 46.149,147.237 ccw(c46.149,147.088) 46,147.088 46,144.7 54.2,136.5 54.2,126.345 54.895,125.65 55.586,125.65 55.786,125.85 v1(55.9,125.85)
ETH1_MDI1_P: X1.56 X700.P7 | length 51
  Top Layer w0.165: v1(55.9,125.15) 56.014,125.15 56.214,125.35 57.187,125.35 57.736,125.35 57.768,125.317 58.432,125.317 X1.56@58.5,125.25
  Bottom Layer w0.165: X700.P7@48.41,159.072 47.477,158.14 47.477,156.531 47.381,156.435 47.228,156.435 45.7,154.907 45.7,153.383 ccw(c46.149,153.383) 46.149,152.934 cw(c46.149,152.767) 46.316,152.767 cw(c46.149,152.767) 46.149,152.601 45.551,152.601 ccw(c45.551,152.134) 45.551,151.668 46.149,151.668 cw(c46.149,151.501) 46.316,151.501 cw(c46.149,151.501) 46.149,151.335 45.551,151.335 ccw(c45.551,150.868) 45.551,150.402 46.149,150.402 cw(c46.149,150.235) 46.316,150.235 cw(c46.149,150.235) 46.149,150.069 45.551,150.069 ccw(c45.551,149.602) 45.551,149.136 46.149,149.136 cw(c46.149,148.969) 46.316,148.969 cw(c46.149,148.969) 46.149,148.803 45.551,148.803 ccw(c45.551,148.336) 45.551,147.87 46.149,147.87 cw(c46.149,147.703) 46.316,147.703 cw(c46.149,147.703) 46.149,147.537 ccw(c46.149,147.088) 45.7,147.088 45.7,144.576 53.9,136.376 53.9,126.221 54.771,125.35 55.586,125.35 55.786,125.15 v1(55.9,125.15)
ETH1_MDI2_N: X1.34 X700.P5 | length 50.8
  Top Layer w0.165: v1(56.9,130.65) 57.014,130.65 57.214,130.85 57.736,130.85 57.768,130.817 58.432,130.817 X1.34@58.5,130.75
  Bottom Layer w0.165: X700.P5@48.41,156.532 48.422,156.544 49.828,156.544 50.013,156.359 51.575,156.359 52.233,157.017 53.2,157.017 ccw(c53.2,157.484) 53.666,157.484 53.666,157.566 cw(c53.833,157.566) 53.999,157.566 53.999,156.768 ccw(c54.466,156.768) 54.932,156.768 54.932,157.566 cw(c55.099,157.566) 55.265,157.566 55.265,156.768 ccw(c55.732,156.768) 56.198,156.768 56.198,157.566 cw(c56.365,157.566) 56.531,157.566 56.531,156.768 ccw(c56.998,156.768) 57.464,156.768 57.464,157.566 cw(c57.631,157.566) 57.797,157.566 57.797,157.484 ccw(c58.264,157.484) 58.264,157.017 58.883,157.017 61.288,154.612 61.288,150.012 57.4,146.124 57.4,139.124 55.8,137.524 55.8,131.278 56.228,130.85 56.586,130.85 56.786,130.65 v1(56.9,130.65)
ETH1_MDI2_P: X1.32 X700.P6 | length 50.8
  Top Layer w0.165: v1(56.9,131.35) 57.014,131.35 57.214,131.15 57.736,131.15 57.768,131.182 58.432,131.182 X1.32@58.5,131.25
  Bottom Layer w0.165: X700.P6@50.95,157.802 50.04,156.893 50.04,156.756 50.137,156.659 51.451,156.659 52.109,157.317 53.2,157.317 ccw(c53.2,157.484) 53.366,157.484 53.366,157.566 cw(c53.833,157.566) 54.299,157.566 54.299,156.768 ccw(c54.466,156.768) 54.632,156.768 54.632,157.566 cw(c55.099,157.566) 55.565,157.566 55.565,156.768 ccw(c55.732,156.768) 55.898,156.768 55.898,157.566 cw(c56.365,157.566) 56.831,157.566 56.831,156.768 ccw(c56.998,156.768) 57.164,156.768 57.164,157.566 cw(c57.631,157.566) 58.097,157.566 58.097,157.484 ccw(c58.264,157.484) 58.264,157.317 59.007,157.317 61.588,154.736 61.588,149.888 57.7,146 57.7,139 56.1,137.4 56.1,134.3 56.1,134.082 ccw(c56.149,134.082) 56.149,134.032 cw(c56.149,133.866) 56.316,133.866 cw(c56.149,133.866) 56.149,133.699 ccw(c56.149,133.65) 56.1,133.65 56.1,133.366 56.1,133.2 56.1,131.402 56.353,131.15 56.586,131.15 56.786,131.35 v1(56.9,131.35)
ETH1_MDI3_N: X1.40 X700.P2 | length 51.5
  Top Layer w0.165: v1(55.9,129.15) 56.014,129.15 56.214,129.35 57.736,129.35 57.768,129.317 58.432,129.317 X1.40@58.5,129.25
  Bottom Layer w0.165: X700.P2@50.95,152.722 50.042,153.63 50.042,153.767 50.175,153.9 51.733,153.9 52.233,153.4 52.233,152.133 50.9,150.8 50.9,150.634 50.9,150.45 cw(c50.751,150.45) 50.751,150.301 ccw(c50.751,150.134) 50.584,150.134 ccw(c50.751,150.134) 50.751,149.968 cw(c50.751,149.818) 50.9,149.818 50.9,149.8 50.9,148.33 cw(c50.734,148.33) 50.734,148.163 50.551,148.163 ccw(c50.551,147.697) 50.551,147.23 51.549,147.23 cw(c51.549,147.064) 51.716,147.064 cw(c51.549,147.064) 51.549,146.897 50.551,146.897 ccw(c50.551,146.431) 50.551,145.964 51.549,145.964 cw(c51.549,145.798) 51.716,145.798 cw(c51.549,145.798) 51.549,145.631 50.551,145.631 ccw(c50.551,145.165) 50.551,144.698 51.549,144.698 cw(c51.549,144.532) 51.716,144.532 cw(c51.549,144.532) 51.549,144.365 50.551,144.365 ccw(c50.551,143.899) 50.551,143.432 51.549,143.432 cw(c51.549,143.266) 51.716,143.266 cw(c51.549,143.266) 51.549,143.099 50.551,143.099 ccw(c50.551,142.633) 50.551,142.167 50.734,142.167 cw(c50.734,142) 50.9,142 50.9,141.496 51.523,140.873 cw(c51.405,140.756) 51.572,140.756 cw(c51.405,140.756) 51.523,140.638 51.471,140.586 ccw(c51.801,140.256) 52.131,139.926 52.682,140.478 ; 52.682,140.478 cw(c52.8,140.36) 52.917,140.478 ; 52.918,140.478 cw(c52.8,140.36) 52.966,140.36 cw(c52.8,140.36) 52.918,140.242 52.366,139.691 ccw(c52.696,139.361) 53.026,139.031 53.577,139.583 cw(c53.695,139.465) 53.813,139.583 ; 53.813,139.582 cw(c53.695,139.465) 53.862,139.465 cw(c53.695,139.465) 53.813,139.347 53.261,138.796 ccw(c53.591,138.466) 53.921,138.136 53.973,138.188 ; 53.973,138.188 cw(c54.091,138.07) 54.208,138.188 54.8,137.596 54.8,129.778 55.228,129.35 55.586,129.35 55.786,129.15 v1(55.9,129.15)
ETH1_MDI3_P: X1.38 X700.P3 | length 51.5
  Top Layer w0.165: v1(55.9,129.85) 56.014,129.85 56.214,129.65 57.736,129.65 57.768,129.682 58.432,129.682 X1.38@58.5,129.75
  Bottom Layer w0.165: X700.P3@48.41,153.992 48.499,153.903 49.754,153.903 50.051,154.2 51.857,154.2 52.533,153.524 52.533,152.009 51.2,150.676 51.2,148.33 cw(c50.734,148.33) 50.734,147.863 50.551,147.863 ccw(c50.551,147.697) 50.551,147.53 51.549,147.53 cw(c51.549,147.064) 52.016,147.064 cw(c51.549,147.064) 51.549,146.597 50.551,146.597 ccw(c50.551,146.431) 50.551,146.264 51.549,146.264 cw(c51.549,145.798) 52.016,145.798 cw(c51.549,145.798) 51.549,145.331 50.551,145.331 ccw(c50.551,145.165) 50.551,144.998 51.549,144.998 cw(c51.549,144.532) 52.016,144.532 cw(c51.549,144.532) 51.549,144.065 50.551,144.065 ccw(c50.551,143.899) 50.551,143.732 51.549,143.732 cw(c51.549,143.266) 52.016,143.266 cw(c51.549,143.266) 51.549,142.799 50.551,142.799 ccw(c50.551,142.633) 50.551,142.466 50.734,142.466 cw(c50.734,142) 51.2,142 51.2,141.621 51.735,141.085 cw(c51.405,140.756) 51.872,140.756 cw(c51.405,140.756) 51.735,140.426 51.683,140.374 ; 51.683,140.138 ccw(c51.801,140.256) 51.919,140.138 52.47,140.69 cw(c52.8,140.36) 53.266,140.36 cw(c52.8,140.36) 53.13,140.03 52.578,139.479 ccw(c52.696,139.361) 52.578,139.244 ; 51.683,140.139 cw(c51.801,140.256) 51.683,140.374 ; 52.578,139.243 ccw(c52.696,139.361) 52.814,139.243 ; 52.814,139.243 53.365,139.795 cw(c53.695,139.465) 54.161,139.465 cw(c53.695,139.465) 54.025,139.135 53.473,138.583 ccw(c53.591,138.466) 53.473,138.349 ccw(c53.591,138.466) 53.709,138.348 53.761,138.4 cw(c54.091,138.07) 54.421,138.4 55.1,137.721 55.1,129.902 55.353,129.65 55.586,129.65 55.786,129.85 v1(55.9,129.85)
FACTORY_DEFAULT#: R1403.1 X1.186 | length 8.5
  Top Layer w0.15: X1.186@58.5,92.75 60.799,92.75 62.849,94.8 R1403.1@66.15,94.8
FORCE_OFF#: IC303.2 R316.1 X300.5 | length 8.4
  Top Layer w0.15: X300.5@71.475,248.44 73.495,248.44 73.785,248.15 R316.1@73.935,248.15 74.072,248.15 74.297,248.375 74.297,248.512 75.195,249.41 IC303.2@79.185,249.41